# Altium PCB PCB2.PcbDoc (part 1 of 2) (continued)
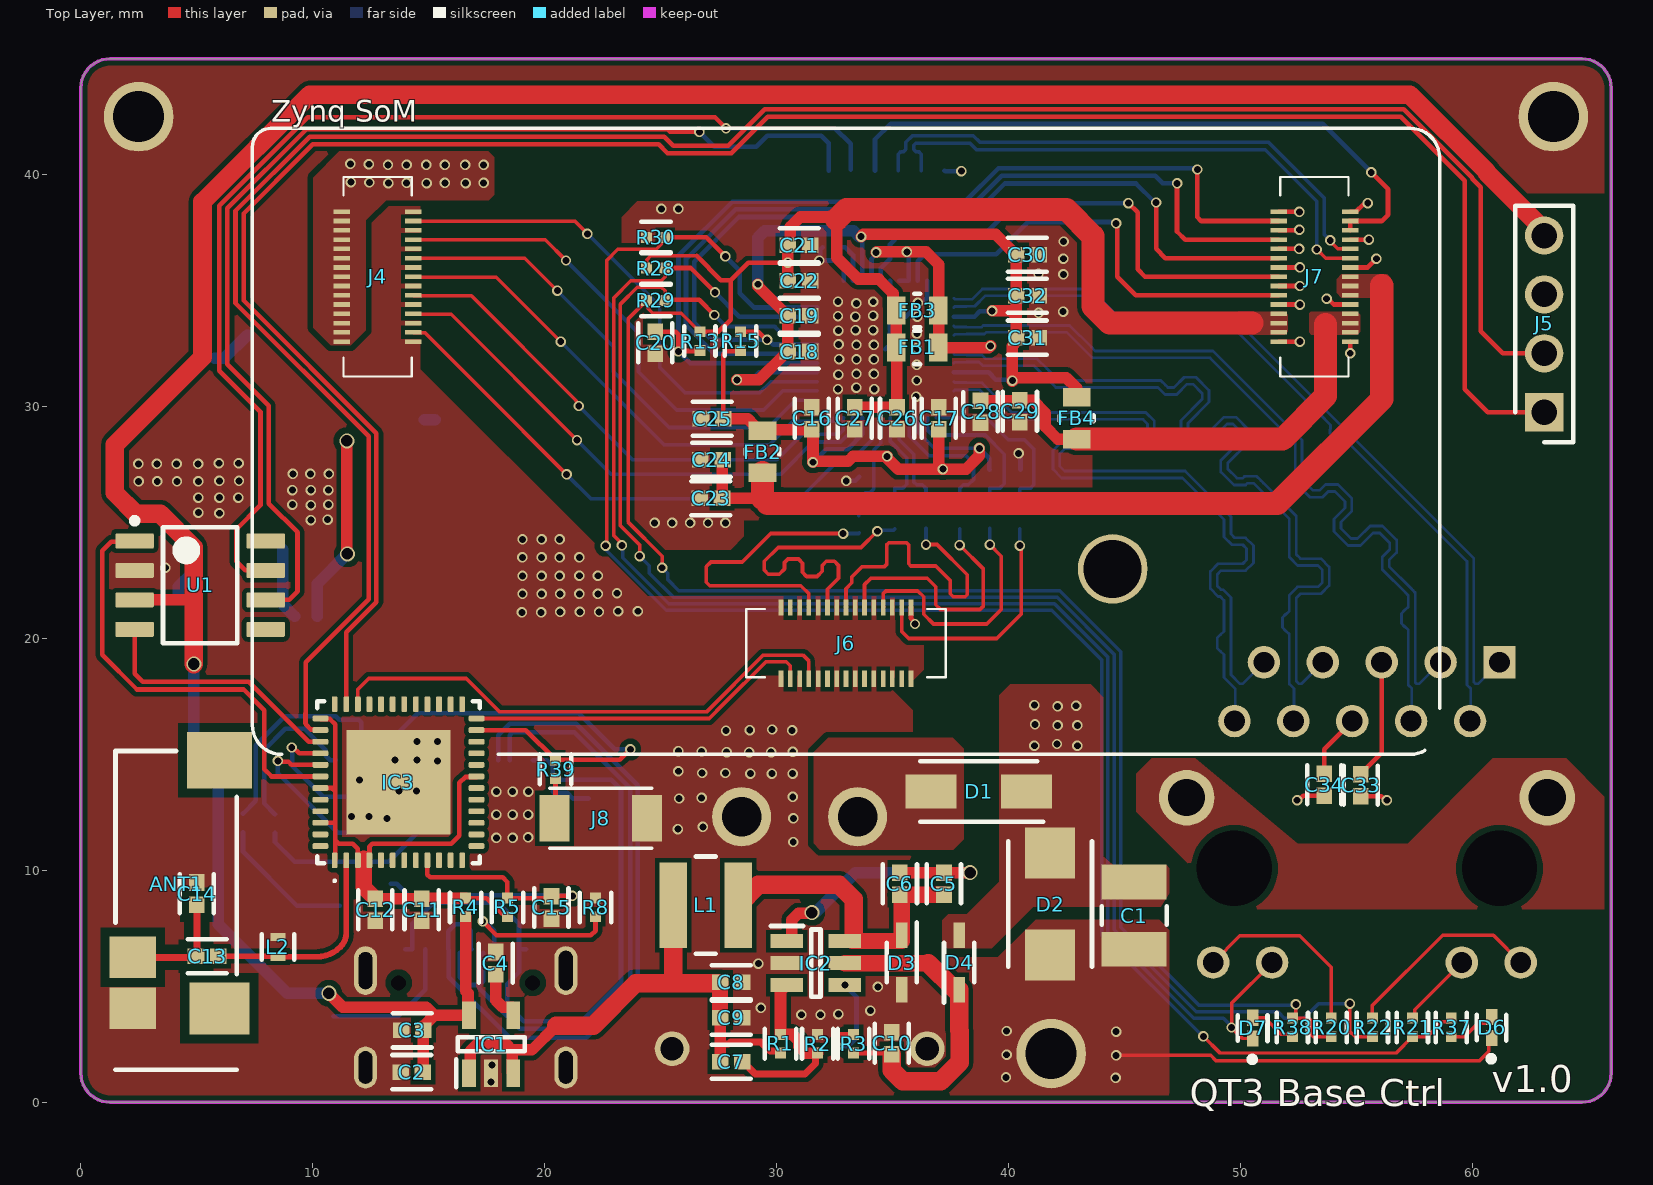
[diagram p0: Top Layer view]
## Components (designator, comment, footprint, x,y, rotation, side; value= is the part's Value field where it differs from the comment) (continued)
D6 "LED" FP-APHHS1005CGCK-MFG 60.844,3.225 r90 top
D7 "LED" FP-APHHS1005CGCK-MFG 50.544,3.2 r90 top
FB1 "70ohm_3A" FP-MPZ2012-MFG 36.075,32.55 r0 top
FB2 "70ohm_3A" FP-MPZ2012-MFG 29.4,28.05 r90 top
FB3 "70ohm_3A" FP-MPZ2012-MFG 36.075,34.146 r0 top
FB4 "70ohm_3A" FP-MPZ2012-MFG 42.95,29.5 r90 top
IC1 "LP2992IM5-3.3_N-910369311" SOT95P280X145-5N 17.7,2.5 r90 top
IC2 "ME3116" SOT95P270X145-6N 31.7,6 r0 top
IC3 "ESP32-PICO-D4" ESP32PICOD4 13.7,13.8 r90 top
IC4 "CP2102" QFN50P500X500X100-29N-D 18,12.4 r270 bottom
IC5 "RTL8211E-VL-CG" QFN40P600X600X100-49N 34.7,32.475 r180 bottom
IC6 "TPS54560DDAR" SOIC127P600X170-9N 6.8,26.55 r90 bottom
J1 "RB1-2S5BAK1A" RB12S5BAK1A 61.18,18.975 r180 bottom
J2 "XT30PW-M" XT30PWM 31,6.4 r0 bottom
J3 "USB Type-C SMD receptacle 16P" "USB TYPE-C SMD RECEPTACLE 16P" 16.6,1.5 r180 bottom
J4 "DF40HC_3.5_-30DS-0.4V_51_" DF40HC3530DS04V51 12.8,35.6 r270 top
J5 "XJ8B-0411" HDRV4W64P0X254_1X4_1020X250X580P 63.108,29.756 r90 top
J6 "DF40HC_3.5_-30DS-0.4V_51_" DF40HC3530DS04V51 33,19.8 r180 top
J7 "DF40HC_3.5_-30DS-0.4V_51_" DF40HC3530DS04V51 53.2,35.6 r270 top
J8 "tact-switch" tact-switch 22.425,12.25 r180 top
J9 "SH1.0-6P" SH1.0-6P 34.75,43.825 r0 bottom
L1 "NR4018-6R8" FP-NR4018-MFG 26.95,8.5 r180 top
L2 "1.6nH" FP-LQW15AN_00-W0_6-0_1-MFG 8.5,6.7 r270 top
L3 "1255AY-2R7N=P3" 1255AY100MP3 15.075,35.175 r90 bottom
Q1 "S8050" SOT95P240X115-3N 12.275,9.425 r0 bottom
Q2 "S8050" SOT95P240X115-3N 12.1,15.7 r0 bottom
R1 "0402-10k-1%" FP-CRCW0402-e3-IPC_C 30.175,2.525 r270 top
R2 "0402-1.8k-1%" FP-CRCW0402-e3-IPC_C 31.775,2.525 r270 top
R3 "0402-1M-1%" FP-CRCW0402-e3-IPC_C 33.325,2.525 r90 top
R4 "0402-0R-1%" FP-CRCW0402-e3-IPC_C 16.6,8.4 r270 top
R5 "0402-10k-1%" FP-CRCW0402-e3-IPC_C 18.4,8.4 r90 top
R6 "0402-120R-1%" FP-CRCW0402-e3-IPC_C 28.625,41.6 r90 bottom
R7 "0402-200R-1%" FP-CRCW0402-e3-IPC_C 12.575,13.175 r180 bottom
R8 "0402-5.1k-1%" FP-CRCW0402-e3-IPC_C 22.2,8.4 r270 top
R9 "0402-5.1k-1%" FP-CRCW0402-e3-IPC_C 10.9,3.3 r90 bottom
R10 "0402-10k-1%" FP-CRCW0402-e3-IPC_C 21.9,13.5 r90 bottom
R11 "0402-12k-1%" FP-CRCW0402-e3-IPC_C 7,12.05 r90 bottom
R12 "0402-12k-1%" FP-CRCW0402-e3-IPC_C 8.375,12.025 r270 bottom
R13 "0402-4.7k-1%" FP-CRCW0402-e3-IPC_C 26.7,32.823 r270 top
R14 "0402-2.49k-1%" FP-CRCW0402-e3-IPC_C 32.3,36.875 r180 bottom
R15 "0402-1.5k-1%" FP-CRCW0402-e3-IPC_C 28.45,32.823 r270 top
R16 "0402-4.7k-1%" FP-CRCW0402-e3-IPC_C 35.1,26.873 r270 bottom
R17 "0402-4.7k-1%" FP-CRCW0402-e3-IPC_C 36.45,26.873 r270 bottom
R18 "0402-4.7k-1%" FP-CRCW0402-e3-IPC_C 37.9,26.873 r270 bottom
R19 "0402-4.7k-1%" FP-CRCW0402-e3-IPC_C 39.2,26.873 r270 bottom
R20 "0402-330R-1%" FP-CRCW0402-e3-IPC_C 53.925,3.225 r270 top
R21 "0402-330R-1%" FP-CRCW0402-e3-IPC_C 57.425,3.225 r90 top
R22 "0402-330R-1%" FP-CRCW0402-e3-IPC_C 55.7,3.225 r90 top
R23 "0402-4.7k-1%" FP-CRCW0402-e3-IPC_C 40.525,26.873 r270 bottom
R24 "0402-10.5k-1%" FP-CRCW0402-e3-IPC_C 2.475,31.675 r270 bottom
R25 "0402-147k-1%" FP-CRCW0402-e3-IPC_C 4.125,31.675 r90 bottom
R26 "0402-39.2k-1%" FP-CRCW0402-e3-IPC_C 4.2,21.3 r90 bottom
R27 "0402-42.2k-1%" FP-CRCW0402-e3-IPC_C 5.775,31.675 r270 bottom
R28 "0402-4.7k-1%" FP-CRCW0402-e3-IPC_C 24.8,35.975 r0 top
R29 "0402-4.7k-1%" FP-CRCW0402-e3-IPC_C 24.8,34.575 r0 top
R30 "0402-4.7k-1%" FP-CRCW0402-e3-IPC_C 24.8,37.3 r180 top
R31 "0402-0R-1%" FP-CRCW0402-e3-IPC_C 33.55,24.9 r270 bottom
R32 "0402-0R-1%" FP-CRCW0402-e3-IPC_C 35.075,25.125 r270 bottom
R33 "0402-0R-1%" FP-CRCW0402-e3-IPC_C 36.45,25.125 r270 bottom
R34 "0402-0R-1%" FP-CRCW0402-e3-IPC_C 37.9,25.125 r270 bottom
R35 "0402-0R-1%" FP-CRCW0402-e3-IPC_C 39.2,25.125 r270 bottom
R36 "0402-0R-1%" FP-CRCW0402-e3-IPC_C 40.5,25.125 r270 bottom
R37 "0402-330R-1%" FP-CRCW0402-e3-IPC_C 59.1,3.225 r90 top
R38 "0402-330R-1%" FP-CRCW0402-e3-IPC_C 52.25,3.225 r90 top
R39 "0402-0R-1%" FP-CRCW0402-e3-IPC_C 20.475,14.361 r90 top
U1 "SN65HVD232DR" D0008A_M 5.15,22.3 r0 top

## Footprints (in the part's own frame and the unit in brackets; to place one, negate y for a bottom-side part, rotate by r counter-clockwise, add the part's x,y. Pads: shape width x height; smd on the part's side, far side on the other; paste and mask are expansions set on the pad)
1255AY100MP3 [mm]
  rect 1.6x5.7 smd: 1(-2.35,0) 2(2.35,0)
  silkscreen extent -1.2,-3 1.2,3, body extent -3.15,-3.15 3.15,3.15, height 4.5
CAPC2013X88X50LL20T25 [mm] "Chip Capacitor, 2-Leads, Body 2.00x1.25mm, IPC High Density"
  rect 1.1x1.35 smd: 1(-0.7,0) 2(0.7,0)
  body extent -1.1,-0.72 1.1,0.72, height 0.88
D0008A_M [mm] "SOIC, 8-Leads, Body 5x4mm, Pitch 1.27mm, IPC Low Density"
  rrect15% 1.65x0.65 smd: 1(-2.825,1.905) 2(-2.825,0.635) 3(-2.825,-0.635) 4(-2.825,-1.905) 5(2.825,-1.905) 6(2.825,-0.635) 7(2.825,0.635) 8(2.825,1.905)
  silkscreen extent -2.95,-2.5 1.6,2.9, body extent -3,-2.45 3,2.45, height 1.63
DF40HC3530DS04V51 [mm]
  rect 0.2x0.7 smd: 1(-2.8,-1.54) 2(-2.8,1.54) 3(-2.4,-1.54) 4(-2.4,1.54) 5(-2,-1.54) 6(-2,1.54) 7(-1.6,-1.54) 8(-1.6,1.54) 9(-1.2,-1.54) 10(-1.2,1.54) 11(-0.8,-1.54) 12(-0.8,1.54) 13(-0.4,-1.54) 14(-0.4,1.54) 15(0,-1.54) 16(0,1.54) 17(0.4,-1.54) 18(0.4,1.54) 19(0.8,-1.54) 20(0.8,1.54) 21(1.2,-1.54) 22(1.2,1.54) 23(1.6,-1.54) 24(1.6,1.54) 25(2,-1.54) 26(2,1.54) 27(2.4,-1.54) 28(2.4,1.54) 29(2.8,-1.54) 30(2.8,1.54)
  silkscreen extent -4.3,-1.47 4.3,1.47, body extent -4.3,-1.87 4.3,1.87, height 3.1
DIOM5026X262N [mm]
  rect 2.2x1.45 smd: 1(-2.05,0) 2(2.05,0)
  silkscreen extent -2.78,-1.3 2.52,1.3, body extent -2.52,-1.3 2.52,1.3, height 2.62
DIOM7959X250N [mm]
  rect 2.2x3.1 smd: 1(-3.5,0) 2(3.5,0)
  silkscreen extent -4.6,-2.95 3.97,2.95, body extent -3.97,-2.95 3.97,2.95, height 2.5
DIONM5436X244N [mm]
  rect 2.2x2.15 smd: 1(-2.2,0) 2(2.2,0)
  silkscreen extent -2.7,-1.81 2.7,1.81, body extent -2.7,-1.81 2.7,1.81, height 2.31
ESP32PICOD4 [mm]
  rrect50% 0.68x0.25 smd mask+0.05: 1(-3.365,2.75) 2(-3.365,2.25) 3(-3.365,1.75) 4(-3.365,1.25) 5(-3.365,0.75) 6(-3.365,0.25) 7(-3.365,-0.25) 8(-3.365,-0.75) 9(-3.365,-1.25) 10(-3.365,-1.75) 11(-3.365,-2.25) 12(-3.365,-2.75) 25(3.365,-2.75) 26(3.365,-2.25) 27(3.365,-1.75) 28(3.365,-1.25) 29(3.365,-0.75) 30(3.365,-0.25) 31(3.365,0.25) 32(3.365,0.75) 33(3.365,1.25) 34(3.365,1.75) 35(3.365,2.25) 36(3.365,2.75)
  rrect50% 0.25x0.68 smd mask+0.05: 13(-2.75,-3.365) 14(-2.25,-3.365) 15(-1.75,-3.365) 16(-1.25,-3.365) 17(-0.75,-3.365) 18(-0.25,-3.365) 19(0.25,-3.365) 20(0.75,-3.365) 21(1.25,-3.365) 22(1.75,-3.365) 23(2.25,-3.365) 24(2.75,-3.365) 37(2.75,3.365) 38(2.25,3.365) 39(1.75,3.365) 40(1.25,3.365) 41(0.75,3.365) 42(0.25,3.365) 43(-0.25,3.365) 44(-0.75,3.365) 45(-1.25,3.365) 46(-1.75,3.365) 47(-2.25,3.365) 48(-2.75,3.365)
  rect 4.5x4.5 smd: 49(0,0)
  silkscreen extent -4.3,-3.5 3.5,3.5, body extent -3.5,-3.5 3.5,3.5, height 1.14
FP-1210-L_3_3_0_4-W_2_5_0-IPC_B [mm]
  rect 1.503x2.804 smd paste+0 mask+0: 1(-1.45,0) 2(1.45,0)
  silkscreen extent -0.4,-1.4 0.4,1.4, body extent -1.65,-1.25 1.65,1.25, height 2.79
FP-APHHS1005CGCK-MFG [mm]
  rect 0.7x0.5 smd paste+0 mask+0: 1(-0.45,0) 2(0.45,0)
  silkscreen extent -1.47,-0.63 0.55,0.65, body extent -0.5,-0.25 0.5,0.25, height 0.5
FP-C3216-160-0_3-IPC_C [mm]
  rect 1.604x1.806 smd paste+0 mask+0: 1(-1.101,0) 2(1.101,0)
  silkscreen extent -1.9,-1.35 1.9,1.35, body extent -1.6,-0.8 1.6,0.8, height 1.9
FP-CRCW0402-e3-IPC_C [mm]
  rect 0.468x0.472 smd paste+0 mask+0: 1(-0.402,0) 2(0.402,0)
  silkscreen extent -0.64,-0.67 0.64,0.67, body extent -0.5,-0.25 0.5,0.25, height 0.4
FP-GRM155-0_05-IPC_A [mm]
  rect 0.715x0.672 smd paste+0 mask+0: 1(-0.479,0) 2(0.479,0)
  silkscreen extent -0.84,-0.74 0.84,0.74, body extent -0.5,-0.25 0.5,0.25, height 0.55
FP-LQW15AN_00-W0_6-0_1-MFG [mm]
  rect 0.35x0.65 smd paste+0 mask+0: 1(-0.425,0) 2(0.425,0)
  silkscreen extent -0.55,-0.7 0.55,0.7, body extent -0.7,-0.45 0.7,0.45, height 0.25
FP-MPZ2012-MFG [mm]
  rect 0.8x1.2 smd paste+0 mask+0: 1(-0.9,0) 2(0.9,0)
  silkscreen extent -0.13,-0.72 0.13,0.72, body extent -1.4,-0.82 1.4,0.82, height 0.25
FP-NR4018-MFG [mm]
  rect 1.2x3.7 smd paste+0 mask+0: 1(-1.4,0) 2(1.4,0)
  silkscreen extent -0.43,-2.1 0.43,2.1, body extent -2.2,-2.2 2.2,2.2, height 0.25
HDRV4W64P0X254_1X4_1020X250X580P [mm]
  rect 1.65x1.65 hole 1.1: 1(0,0)
  round 1.65 hole 1.1: 2(2.54,0) 3(5.08,0) 4(7.62,0)
  silkscreen extent -1.29,-1.25 8.91,1.25, body extent -1.29,-1.25 8.91,1.25, height 5.8
PRO-OB-440_1 [mm]
  rect 2x1.8 smd: 1(1.865,-2.65) 2(1.865,-4.85)
  rect 2.6x2.25 smd: 3(-1.865,-2.65)
  rect 2.8x2.45 smd: 4(-1.865,-13.35)
  silkscreen extent -2.62,-13.75 2.62,0, body extent -2.62,-13.91 2.62,-0.16, height 3.53
QFN40P600X600X100-49N [mm]
  rect 0.85x0.2 smd: 1(-2.95,2.2) 2(-2.95,1.8) 3(-2.95,1.4) 4(-2.95,1) 5(-2.95,0.6) 6(-2.95,0.2) 7(-2.95,-0.2) 8(-2.95,-0.6) 9(-2.95,-1) 10(-2.95,-1.4) 11(-2.95,-1.8) 12(-2.95,-2.2) 25(2.95,-2.2) 26(2.95,-1.8) 27(2.95,-1.4) 28(2.95,-1) 29(2.95,-0.6) 30(2.95,-0.2) 31(2.95,0.2) 32(2.95,0.6) 33(2.95,1) 34(2.95,1.4) 35(2.95,1.8) 36(2.95,2.2)
  rect 0.2x0.85 smd: 13(-2.2,-2.95) 14(-1.8,-2.95) 15(-1.4,-2.95) 16(-1,-2.95) 17(-0.6,-2.95) 18(-0.2,-2.95) 19(0.2,-2.95) 20(0.6,-2.95) 21(1,-2.95) 22(1.4,-2.95) 23(1.8,-2.95) 24(2.2,-2.95) 37(2.2,2.95) 38(1.8,2.95) 39(1.4,2.95) 40(1,2.95) 41(0.6,2.95) 42(0.2,2.95) 43(-0.2,2.95) 44(-0.6,2.95) 45(-1,2.95) 46(-1.4,2.95) 47(-1.8,2.95) 48(-2.2,2.95)
  rect 4.65x4.65 smd: 49(0,0)
  silkscreen extent -3.47,2.7 -3.28,2.9, body extent -3.05,-3.05 3.05,3.05, height 1
QFN50P500X500X100-29N-D [mm]
  rect 1x0.3 smd: 1(-2.35,1.5) 2(-2.35,1) 3(-2.35,0.5) 4(-2.35,0) 5(-2.35,-0.5) 6(-2.35,-1) 7(-2.35,-1.5) 15(2.35,-1.5) 16(2.35,-1) 17(2.35,-0.5) 18(2.35,0) 19(2.35,0.5) 20(2.35,1) 21(2.35,1.5)
  rect 0.3x1 smd: 8(-1.5,-2.35) 9(-1,-2.35) 10(-0.5,-2.35) 11(0,-2.35) 12(0.5,-2.35) 13(1,-2.35) 14(1.5,-2.35) 22(1.5,2.35) 23(1,2.35) 24(0.5,2.35) 25(0,2.35) 26(-0.5,2.35) 27(-1,2.35) 28(-1.5,2.35)
  rect 3.35x3.35 smd: 29(0,0)
  silkscreen extent -2.97,2.12 -2.73,2.37, body extent -2.55,-2.55 2.55,2.55, height 1
RB12S5BAK1A [mm]
  round 1.4 hole 0.9: L1(12.345,-12.95) L2(9.805,-12.95) L3(1.625,-12.95) L4(-0.915,-12.95) R2(1.27,-2.54) R3(2.54,0) R4(3.81,-2.54) R5(5.08,0) R6(6.35,-2.54) R7(7.62,0) R8(8.89,-2.54) R9(10.16,0) R10(11.43,-2.54)
  round 1.625 hole 3.25 unplated: MH1(0,-8.89) MH2(11.43,-8.89)
  round 2.4 hole 1.6: MH3(-2.06,-5.84) MH4(13.49,-5.84)
  rect 1.4x1.4 hole 0.9: R1(0,0)
  silkscreen extent -3.4,-19.78 13.59,2.05, body extent -2.76,-19.78 14.19,2, height 13.7
SH1.0-6P [mm]
  rect 0.4x1.8 smd paste+0 mask+0.1: 1(-2.5,3.65) 2(-1.5,3.65) 3(-0.5,3.65) 4(0.5,3.65) 5(1.5,3.65) 6(2.5,3.65)
  rect 2x1.5 smd paste+0 mask+0.1: 7(-3.75,0) 8(3.75,0)
  silkscreen extent -4.05,1.25 4.1,3.5
SOD2613X100N [mm]
  rect 1.1x0.5 smd: 1(-1.175,0) 2(1.175,0)
  silkscreen extent -1.73,-0.65 0.85,0.65, body extent -1.3,-0.65 1.3,0.65, height 1
SOIC127P600X170-9N [mm]
  rect 1.525x0.65 smd: 1(-2.712,1.905) 2(-2.712,0.635) 3(-2.712,-0.635) 4(-2.712,-1.905) 5(2.712,-1.905) 6(2.712,-0.635) 7(2.712,0.635) 8(2.712,1.905)
  rect 2.4x3.1 smd: 9(0,0)
  silkscreen extent -3.47,2.58 -1.95,2.58, body extent -3,-2.45 3,2.45, height 1.57
SOT95P240X115-3N [mm]
  rect 1.1x0.6 smd: 1(-1.1,0.95) 2(-1.1,-0.95) 3(1.1,0)
  silkscreen extent -1.65,-1.45 0.2,1.5, body extent -1.2,-1.45 1.2,1.45, height 1.15
SOT95P270X145-6N [mm]
  rect 1.4x0.6 smd: 1(-1.25,0.95) 2(-1.25,0) 3(-1.25,-0.95) 4(1.25,-0.95) 5(1.25,0) 6(1.25,0.95)
  silkscreen extent -1.95,-1.45 0.2,1.6, body extent -1.35,-1.45 1.35,1.45, height 1.45
SOT95P280X145-5N [mm]
  rect 1.2x0.6 smd: 1(-1.25,0.95) 2(-1.25,0) 3(-1.25,-0.95) 4(1.25,-0.95) 5(1.25,0.95)
  silkscreen extent -1.85,-1.45 0.3,1.5, body extent -1.4,-1.45 1.4,1.45, height 1.45
tact-switch [mm]
  rect 1.3x2 smd paste+0 mask+0.1: 1(-2,0) 2(2,0)
  silkscreen extent -2.2,-1.3 2.2,1.3
"USB TYPE-C SMD RECEPTACLE 16P" [mm]
  rect 0.25x1.45 smd paste+0 mask+0.05: 1(-3.375,4.955) 2(-3.075,4.955) 3(-2.6,4.955) 4(-2.3,4.955) 6(-1.25,4.955) 7(-0.75,4.955) 8(-0.25,4.955) 9(0.25,4.955) 10(0.75,4.955) 11(1.25,4.955) 12(1.75,4.955) 13(2.3,4.955) 14(2.6,4.955) 15(3.075,4.955) 16(3.375,4.955)
  rect 0.25x1.45 smd mask+0.05: 5(-1.75,4.955)
  oval 1x2.1 hole 0.6 slot 1.7 at 90 deg: 17(-4.32,4.18)
  oval 1x1.8 hole 0.6 slot 1.4 at 90 deg: 18(-4.32,0) 20(4.32,0)
  oval 1x2.1 hole 0.6 slot 1.6 at 90 deg: 19(4.32,4.18)
  round 0 hole 0.65 unplated paste+0 mask+0.1: 21(2.89,3.65) 22(-2.89,3.65)
  silkscreen extent -4.6,-2.6 4.6,2.41, body extent -4.47,-2.6 4.47,5.3, height 3.22
XT30PWM [mm]
  round 2.55 hole 1.7: 1(-2.5,-5.912) 2(2.5,-5.912)
  round 1.5 hole 1: 3(5.5,4.088) 4(-5.5,4.088)
  silkscreen extent -4.95,-6.76 4.95,7.19, body extent -6.65,-6.71 6.65,7.24, height 5.06

## Part data
ANT1: "Antenna", Manufacturer_Name="Proant AB", Datasheet Link=https://datasheet.datasheetarchive.com/originals/distributors/Datasheets_SAMA/948dc430b75246ce8cd38483dfecf2eb.pdf, Manufacturer_Part_Number=PRO-OB-440
C1: library part CMP-04427-007940-1, "General Purpose Ceramic Capacitor, 1210, 22uF, 10%, X7R, 15%, 16V", Capacitance=22uF, Case Code (Imperial)=1210, Case Code (Metric)=3225, Dielectric=X7R, Insulation Resistance=100GR, Max Operating Temperature=125°C, Min Operating Temperature=-55°C, Package Quantity=1000, Tolerance=10%, Voltage=10V, Voltage Rating=16V, Case/Package=1210, Construction=Flat, Contact Plating=Tin, Depth=2.5mm, Dissipation Factor=3.5%, Height=2.79mm, Lead Free="Lead Free", Length=3.2mm, Mount="Surface Mount", Number of Pins=2, Packaging="Tape and Reel", Radiation Hardening=No, REACH SVHC="No SVHC", RoHS Compliant=Yes, Series=Standard, Termination=SMD/SMT, Thickness=0.11inch, Voltage Rating (DC)=16V, Width=0.098inch
C2 C3 C4 C5 C6 C7 C8 C9 C10 C11 C12 C13 C14 C15 C16 C17 C18 C19 C20 C21 C22 C23 C24 C25 C26 C27 C28 C29 C30 C31 C32 C33 C34 C35 C36 C39 C40: library part CMP-2008-04561-5, "CAP CER 0.22UF 10V X5R 0402", Capacitance=220nF, Case Code (Imperial)=0402, Case Code (Metric)=1005, Dielectric=X5R, Dielectric Material=Ceramic, Insulation Resistance=10GR, Max Operating Temperature=85°C, Min Operating Temperature=-55°C, Package Quantity=1, Tolerance=10%, Voltage=10V, Case/Package=0402, Depth=0.5mm, Height=0.5mm, Lead Free="Lead Free", Length=1mm, MATERIAL=Ceramic, Mount="Surface Mount", Number of Pins=2, Packaging="Tape and Reel", Radiation Hardening=No, REACH SVHC="No SVHC", RoHS Compliant=Yes, Series=GRM, Termination=SMD/SMT, Thickness=0.022inch, Voltage Rating=10V, Voltage Rating (DC)=10V, Width=0.5mm
C37: library part CMP-2007-00266-1, Manufacturer=Kemet, Part Number=C0805C103K5RACTU
C38: library part CMP-2000-05396-3, "Multilayer Ceramic Capacitors 100uF ±20% 10V X5R SMD 1206", Capacitance=100uF, Case Code (Imperial)=1206, Case Code (Metric)=3216, Dielectric=X5R, Dielectric Material=Ceramic, Max Operating Temperature=85°C, Min Operating Temperature=-55°C, Package Quantity=1, Tolerance=20%, Voltage=10V, Case/Package=1206, Construction=Flat, Depth=1.6mm, Height=1.6mm, Lead Free="Lead Free", Length=3.2mm, Mount="Surface Mount", Packaging="Tape and Reel", Radiation Hardening=No, REACH SVHC="No SVHC", Resistor Type=Ceramic, RoHS Compliant=Yes, Series=C, Termination=SMD/SMT, Thickness=0.075inch, Voltage Rating=10V, Voltage Rating (DC)=10V, Weight=0.000571oz, Width=1.6mm
D1: "Schottky Diode", Manufacturer_Name="DIYI Elec Tech", Datasheet Link=https://datasheet.lcsc.com/szlcsc/DIYI-Elec-Tech-SS54_C84165.pdf, Height=2.62mm, Manufacturer_Part_Number=SS54
D2: "TVS Diode (Bi-directional)", Manufacturer_Name=Bourns, Mouser Part Number=652-SMBJ28CA, Arrow Part Number=SMBJ28CA, Arrow Price/Stock=https://www.arrow.com/en/products/smbj28ca/bourns?region=nac, Datasheet Link=https://componentsearchengine.com/Datasheets/1/SMBJ28CA.pdf, Height=2.44mm, Manufacturer_Part_Number=SMBJ28CA, Mouser Price/Stock=https://www.mouser.co.uk/ProductDetail/Bourns/SMBJ28CA?qs=d7fLapxX37FKb4yeAvm1Vg%3D%3D
D3 D4: "Diode", Manufacturer_Name="Yangzhou Yangjie Electronic Technology Co.", Datasheet Link=https://www.21yangjie.com/ggs/xxh/xxhxtdejg/B5817WS%20THRU%20B5819WS-SOD-323-%E6%B5%B7%E9%B8%A5%E8%84%9A.pdf, Height=1mm, Manufacturer_Part_Number=B5819WS
D5: "Diode", Manufacturer_Name="Diodes Inc.", Mouser Part Number=621-B560C-F, Arrow Part Number=B560C-13-F, Arrow Price/Stock=https://www.arrow.com/en/products/b560c-13-f/diodes-incorporated?region=nac, Datasheet Link=https://datasheet.lcsc.com/szlcsc/Diodes-Incorporated-B560C-13-F_C85100.pdf, Height=2.5mm, Manufacturer_Part_Number=B560C-13-F, Mouser Price/Stock=https://www.mouser.co.uk/ProductDetail/Diodes-Incorporated/B560C-13-F?qs=OC0R%252Bhozcm%252BAsjMXklZLIw%3D%3D
D6 D7: library part CMP-44529-000044-1, "LED GREEN CLEAR CHIP SMD", Case Code (Imperial)=0402, Case Code (Metric)=1005, Color=Green, Forward Current=20mA, Forward Voltage=2.1V, Lens Color=Clear, Max Operating Temperature=85°C, Min Operating Temperature=-40°C, Package Quantity=2000, Case/Package=0402, Dominant Wavelength=570nm, Height=0.6mm, Illumination Color=Green, Lead Free="Lead Free", Length=1mm, Lens Style=Clear, Luminous Intensity=50mcd, Mount="Surface Mount", Number of LEDs=1, Number of Pins=2, Packaging="Tape and Reel", Test Current=20mA, Viewing Angle=120°, Wavelength=570nm, Width=0.5mm
FB1 FB2 FB3 FB4: library part CMP-08257-000020-1, "FERRITE BEAD 220 OHM 0805 1LN", Case Code (Imperial)=0805, Case Code (Metric)=2012, Current Rating=3A, DC Resistance (DCR)=40mR, Max Operating Temperature=125°C, Min Operating Temperature=-55°C, Package Quantity=4000, Test Frequency=100MHz, Tolerance=25%, Case/Package=0805, Core Material=Ferrite, Depth=1.25mm, Height=0.85mm, Impedance=220R, Lead Free="Lead Free", Length=0.079inch, Max DC Current=3A, Mount="Surface Mount", Packaging="Tape and Reel", REACH SVHC="No SVHC", RoHS Compliant=Yes, Termination=SMD/SMT, Weight=0.000194oz, Width=0.049inch
IC1: "Integrated Circuit", Arrow Part Number=LP2992IM5-3.3/N-910369311, Manufacturer_Name="Texas Instruments", Arrow Price/Stock=https://www.arrow.com/en/products/lp2992im5-3.3n-910369311/texas-instruments, Datasheet Link=https://www.arrow.com/en/products/lp2992im5-3.3n-910369311/texas-instruments, Height=1.45mm, Manufacturer_Part_Number=LP2992IM5-3.3/N-910369311
IC2: "Integrated Circuit", Manufacturer_Name=Microne, Datasheet Link=https://datasheet.lcsc.com/szlcsc/Nanjing-Micro-One-Elec-ME3116_C97643.pdf, Height=1.45mm, Manufacturer_Part_Number=ME3116
IC3: "Integrated Circuit", Manufacturer_Name="Espressif Systems", Mouser Part Number=356-ESP32-PICO-D4, Datasheet Link=https://www.espressif.com/sites/default/files/documentation/esp32-pico-d4_datasheet_en.pdf, Height=1.04mm, Manufacturer_Part_Number=ESP32-PICO-D4, Mouser Price/Stock=https://www.mouser.co.uk/ProductDetail/Espressif-Systems/ESP32-PICO-D4?qs=MLItCLRbWsw7MJlbN3HfdA%3D%3D
IC4: "Integrated Circuit", Manufacturer_Name="Silicon Labs", Mouser Part Number=634-CP2102, Datasheet Link=https://componentsearchengine.com/Datasheets/1/CP2102.pdf, Height=1mm, Manufacturer_Part_Number=CP2102, Mouser Price/Stock=https://www.mouser.co.uk/ProductDetail/Silicon-Labs/CP2102?qs=ucY0lxHzU7615lOm95XT0w%3D%3D
IC5: "Integrated Circuit", Manufacturer_Name=Realtek, Datasheet Link=https://datasheet.lcsc.com/lcsc/1810010421_Realtek-Semicon-RTL8211E-VB-CG_C90735.pdf, Height=1mm, Manufacturer_Part_Number=RTL8211E-VL-CG
IC6: "Integrated Circuit", Manufacturer_Name="Texas Instruments", Mouser Part Number=595-TPS54560DDAR, Arrow Part Number=TPS54560DDAR, Arrow Price/Stock=https://www.arrow.com/en/products/tps54560ddar/texas-instruments?region=nac, Datasheet Link=http://www.ti.com/lit/ds/symlink/tps54560.pdf, Height=1.7mm, Manufacturer_Part_Number=TPS54560DDAR, Mouser Price/Stock=https://www.mouser.co.uk/ProductDetail/Texas-Instruments/TPS54560DDAR?qs=%2FA2SZCkL4Tlm1gC5t8ZNIg%3D%3D
J1: "Connector", Manufacturer_Name="UDE Corp", Datasheet Link=https://datasheet.lcsc.com/lcsc/1912111437_UDE-Corp-RB1-2S5BAK1A_C363232.pdf, Height=13.6mm, Manufacturer_Part_Number=RB1-2S5BAK1A
J2: "Connector", Manufacturer_Name=Amass, Datasheet Link=https://www.tme.eu/sl/Document/ce4077e36b79046da520ca73227e15de/XT30PW%20SPEC.pdf, Height=5mm, Manufacturer_Part_Number=XT30PW-M
J4 J6 J7: "Connector", Manufacturer_Name=Hirose, Manufacturer_Part_Number=DF40HC(3.5)-30DS-0.4V(51), Mouser Part Number=798-DF40HC3530DS04V, Datasheet Link=https://www.hirose.com/product/en/products/DF40/DF40HC%283.5%29-30DS-0.4V%2851%29/, Height=3mm, Mouser Price/Stock=https://www.mouser.co.uk/ProductDetail/Hirose-Connector/DF40HC3.5-30DS-0.4V51?qs=sAMQa04WsV9vLKgcIJF7Vw%3D%3D
J5: "Connector", Manufacturer_Name="Omron Electronics", Mouser Part Number=653-XJ8B0411, Datasheet Link=https://www.omron.com/ecb/products/pdf/en-xj8.pdf, Height=5.8mm, Manufacturer_Part_Number=XJ8B-0411, Mouser Price/Stock=https://www.mouser.co.uk/ProductDetail/Omron-Electronics/XJ8B-0411?qs=8ODJmtm206ec9SYet6om8g%3D%3D
L1: library part CMP-14484-000658-1, "SMD Power Inductors 2.2uH ±20% 1.44A 72mΩ", Case/Package=1515, Current Rating=1.44A, DC Resistance (DCR)=72mR, Inductance=2.2uH, Inductance Tolerance=20%, Max Operating Temperature=120°C, Min Operating Temperature=-25°C, Package Quantity=3500, Resistor Type=Wirewound, Saturation Current=2.7A, Self Resonant Frequency=52MHz, Test Frequency=100kHz, Core Material=Ferrite, Halogen Free="Halogen Free", Height=1.8mm, Height - Seated (Max)=0.071inch, Lead Free="Lead Free", Length=0.157inch, Max DC Current=1.44A, Mount="Surface Mount", Number of Pins=2, Packaging="Tape and Reel", RMS Current (Irms)=1.44A, RoHS Compliant=Yes, Series=NR, Shielding=Shielded, Termination=SMD/SMT, Tolerance=20%, Width=4mm
L2: library part CMP-06042-000827-1, "Wire Wound RF Inductor 3.9nH ±0.1nH 750mA 0.07Ω 0402 (1005)", Case Code (Imperial)=0402, Case Code (Metric)=1005, Current=750mA, DC Resistance (DCR)=70mR, Inductance=3.9nH, Max Operating Temperature=125°C, Min Operating Temperature=-55°C, Package Quantity=10000, Self Resonant Frequency=10GHz, Test Frequency=100MHz, Case/Package=0402, Core Material=Air, Current Rating=750mA, DC Current=750mA, Depth=0.7mm, Height=0.5mm, Lead Free="Lead Free", Length=1mm, Max DC Current=750mA, Military Standard=Not, Mount="Surface Mount", Number of Pins=2, Packaging="Tape and Reel", Radiation Hardening=No, REACH SVHC="No SVHC", Shielding=Unshielded, Termination=SMD/SMT, Weight=2.8E-05oz, Width=0.02inch
L3: "Inductor", Arrow Part Number=1255AY-2R7N=P3, Manufacturer_Name="Murata Electronics", Mouser Part Number=81-1255AY-2R7NP3, Arrow Price/Stock=https://www.arrow.com/en/products/1255ay-2r7np3/murata-manufacturing, Datasheet Link=https://psearch.en.murata.com/inductor/product/1255AY-2R7N%23.html, Height=4.5mm, Manufacturer_Part_Number=1255AY-2R7N=P3, Mouser Price/Stock=https://www.mouser.co.uk/ProductDetail/Murata-Electronics/1255AY-2R7N%3dP3?qs=KuGPmAKtFKXDux1CpeRnvg%3D%3D
Q1 Q2: "Transistor", Manufacturer_Name="Yenji Elec", Datasheet Link=https://datasheet.lcsc.com/szlcsc/Yenji-Elec-S8050_C139514.pdf, Height=1.15mm, Manufacturer_Part_Number=S8050
R1 R2 R3 R4 R5 R6 R7 R8 R9 R10 R11 R12 R13 R14 R15 R16 R17 R18 R19 R20 R21 R22 R23 R24 R25 R26 R27 R28 R29 R30 R31 R32 R33 R34 R35 R36 R37 R38 R39: library part CMP-2002-08122-2, "RES Thick Film, 0Ω, 0.063W, 0402", Case Code (Imperial)=0402, Case Code (Metric)=1005, Max Operating Temperature=155°C, Max Power Dissipation=63mW, Min Operating Temperature=-55°C, Package Quantity=1, Resistance=0mR, Temperature Coefficient=100ppm/°C, Tolerance=5%, Voltage Rating=50V, Case/Package=0402, Composition="Thick Film", Contact Plating=Tin, Depth=0.5mm, Features="Automotive AEC-Q200", Height=0.35mm, Lead Free="Lead Free", Length=1mm, Military Standard=Not, Mount="Surface Mount", Number of Terminations=2, Packaging="Tape and Reel", Power Rating=63mW, Radiation Hardening=No, Termination=SMD/SMT, Voltage Rating (DC)=50V, Weight=2.3E-05oz, Width=0.5mm
U1: library part CMP-0315-00075-2, "3.3 V Can Transceiver, 17 mA, -40 to 85 degC, 8-pin SOIC (D), Green (RoHS & no Sb/Br)", Drivers Per Package=1, Manufacturer="Texas Instruments", Rating=Catalog, Supply Voltage(s)(V)=3.3, Code_JEDEC=MS-012AA, ComponentLink1Description=Datasheet, ComponentLink1URL=http://www.ti.com/general/docs/lit/getliterature.tsp?genericPartNumber=SN65HVD232&fileType=pdf, DatasheetVersion=SLOS346K, Eco-Plan="Green (RoHS & no Sb/Br)", ICC(Max)(mA)=17, Isolated=No, Mounting Technology="Surface Mount", PackageDescription="8-Pin Plastic Small Outline Integrated Circuit, 4.9 x 3.9 mm, Pitch 1.27 mm Pitch", PackageReference=D0008A, PackageVersion="revM, Jun-2011", PartNumber=SN65HVD232DR, Receivers Per Package=1, SubFamily=CAN, Transient Pulse Protection(V)="-25 to 25"

## Free pads (board coordinates)
  round 3 hole 2.2 paste+0 mask+0.1: 2(41.85,2.1) 2(63.5,42.5) 4(2.5,42.5)
  round 3 hole 2.5 paste+0 mask+0.1: 2(44.5,23)

## Via types
v1: diameter 0.45, hole 0.3, Top Layer to Bottom Layer, tented both sides, 170 vias
v2: diameter 0.45, hole 0.3, Top Layer to Bottom Layer, 83 vias
v3: diameter 0.65, hole 0.5, Top Layer to Bottom Layer, tented both sides, 6 vias

## Nets (pads, with @x,y where several pads share a name; then routed paths per layer and width w, separated by ;. In a path a pad name is that pad's centre, name@x,y a point inside that pad or via, vN(x,y) a via of type N, cw(c..) or ccw(c..) an arc to the next point about the centre after c; other vN are vias at no path point)
ACTLED0: D7.1 IC5.34 J1.L2 R28.2 | length 68
  Top Layer w0.15: v2(23.337,24.012) 23.337,24.094 22.975,24.456 22.975,34.675 23.725,35.425 25.025,35.425 25.2,35.6 R28.2@25.2,35.973 ; D7.1@50.544,2.75 50.1,2.75 v2(49.625,3.225) 49.625,4.275 J1.L2@51.375,6.025
  Top Layer w0.2: R28.2@25.2,35.973 R28.2@25.202,35.975 26.3,35.975 v2(27.35,34.925)
  Bottom Layer w0.15: v2(23.337,24.012) 23.379,23.971 23.379,23.487 25.365,21.502 41.99,21.502 44.296,19.196 44.296,7.321 47.996,3.621 49.279,3.621 49.625,3.275 v2(49.625,3.225)
  Bottom Layer w0.2: v2(27.35,34.925) 28.4,33.875 IC5.34@31.75,33.875
ACTLED1: IC5.35 R21.1 R30.1 R37.2 | length 76.9
  Top Layer w0.15: v2(22.634,23.999) 22.675,24.04 22.675,36.3 23.164,36.789 24.814,36.789 25.043,37.018 25.043,37.139 25.129,37.225 R30.1@25.25,37.225 ; v2(48.411,2.841) 49.127,2.125 56.725,2.125 57.423,2.823 R21.1@57.425,2.823 58.073,2.823 58.718,3.468 58.941,3.468 R37.2@59.1,3.627
  Top Layer w0.2: R30.1@25.202,37.3 26.975,37.3 v2(27.8,36.475)
  Bottom Layer w0.15: v2(22.634,23.999) 22.691,23.941 22.691,23.784 25.25,21.225 41.875,21.225 44.019,19.081 44.019,7.206 v2@48.4,2.825
  Bottom Layer w0.2: v2(27.8,36.475) 28.411,35.864 28.411,34.889 29.025,34.275 IC5.35@31.75,34.275
ACTLED2: IC5.32 R22.1 R29.2 | length 69.6
  Top Layer w0.15: v2(24.1,23.55) 24.1,24.033 23.275,24.858 23.275,34.423 24,35.148 25.041,35.148 25.202,34.987 25.202,34.6 R29.2@25.202,34.575 ; v2(54.725,4.25) 54.725,3.05 54.952,2.823 R22.1@55.7,2.823
  Top Layer w0.2: R29.2@25.202,34.6 26.675,34.6 v2(27.325,33.95)
  Bottom Layer w0.15: v2(24.1,23.55) 24.521,23.129 24.521,22.821 25.563,21.779 42.104,21.779 44.573,19.31 44.573,7.435 48.11,3.898 51.63,3.898 51.903,3.625 52.75,3.625 53.375,4.25 v2(54.725,4.25)
  Bottom Layer w0.18: v2(27.325,33.95) 27.825,33.45 29.925,33.45 30.3,33.075 IC5.32@31.75,33.075
CAM_D_N: J7.10 J9.4 | length 23.7
  Top Layer w0.152: v1(53.882,37.172) 53.882,37.118 54.2,36.8 J7.10@54.74,36.8
  Bottom Layer w0.152: J9.4@35.25,40.175 35.25,40.875 35.374,40.999 35.495,40.999 35.584,41.088 35.584,41.401 35.867,41.684 38.485,41.684 38.763,41.407 51.212,41.407 53.632,38.987 53.632,37.942 53.632,37.41 53.87,37.172 v1(53.882,37.172)
CAM_D_P: J7.12 J9.5 | length 23.4
  Top Layer w0.152: v1(53.3,36.775) 53.313,36.775 53.688,36.4 J7.12@54.74,36.4
  Bottom Layer w0.152: J9.5@36.25,40.175 36.25,40.875 36.126,40.999 36.005,40.999 35.916,41.088 35.916,41.263 36.005,41.352 38.348,41.352 38.625,41.075 51.075,41.075 53.3,38.85 53.3,38.08 v1(53.3,36.775)
CAM_VBUS: J7.4 J7.6 J9.3 | length 28.2
  Top Layer w0.2: J7.4@54.7,38 J7.4@54.74,38 ; J7.6@54.74,37.6 J7.4@54.74,38 ; v1(55.65,40.1) 56.375,39.375 56.375,38.275 56.1,38 J7.4@54.74,38
  Bottom Layer w0.2: J9.3@34.25,40.175 34.25,41.525 34.925,42.2 53.55,42.2 v1(55.65,40.1)
CAN_H: J9.2 R6.2 U1.7 | length 48.3
  Top Layer w0.2: U1.7@7.975,22.935 7.09,22.935 6.7,23.325 6.7,24.7 7.75,25.75 7.75,29.775 5.975,31.55 5.975,38.663 9.787,42.475 27.35,42.475 v1(27.825,42)
  Bottom Layer w0.2: v1(27.825,42) 27.826,42.001 28.624,42.001 R6.2@28.625,42.002 32.523,42.002 33.2,41.325 J9.2@33.2,40.225
CAN_L: J9.1 R6.1 U1.6 | length 48.5
  Top Layer w0.2: U1.6@7.975,21.665 8.985,21.665 9.35,22.03 9.35,24.575 8.111,25.814 8.111,30.039 6.325,31.825 6.325,38.551 9.735,41.961 25.301,41.961 25.412,41.85 v1(26.675,41.85)
  Bottom Layer w0.2: v1(26.675,41.85) 27.327,41.198 R6.1@28.625,41.198 29.123,41.198 29.6,41.675 31.939,41.675 32.25,41.365 J9.1@32.25,40.175
DTR: IC4.28 Q2.2 R11.2 | length 13.8
  Bottom Layer w0.2: R11.2@7,12.452 7.55,13.002 7.55,15.4 8.8,16.65 Q2.2@11,16.65 11.15,16.5 11.983,16.5 12.1,16.383 12.1,15 12.083,14.983 12.966,14.1 14.7,14.1 14.9,13.9 IC4.28@15.65,13.9
ETH_AN0: IC5.17 R17.2 R33.1 | length 4.6
  Bottom Layer w0.156: IC5.17@35.3,29.525 35.3,28.575 35.925,27.95 35.925,26.75 36.048,26.627 36.294,26.627 R17.2@36.45,26.471 R33.1@36.45,25.527
ETH_AN1: IC5.18 R16.2 R32.1 | length 4.7
  Bottom Layer w0.156: IC5.18@34.9,29.525 34.9,28.513 35.614,27.798 35.614,26.651 35.434,26.471 R16.2@35.1,26.471 35.1,25.552 R32.1@35.075,25.527
ETH_AVDD3V3: FB1.2 FB3.2 IC5.6 IC5.41 IC5.44 IC5.45 | length 13.3
  Top Layer w0.5: v2(34.3,36.65) 34.325,36.675 v2(35.625,36.675) 36.45,36.675 37,36.125 FB3.2@37,34.146 ; FB1.2@36.975,32.55 36.988,32.538 39.156,32.538 v2(39.232,32.613) ; FB3.2@36.979,34.146 36.991,34.134 FB1.2@36.991,32.534
  Bottom Layer w0.2: IC5.41@34.1,35.425 34.1,36.382 34.3,36.582 v2(34.3,36.65) ; IC5.44@35.3,35.425 IC5.45@35.7,35.425 35.7,36.532 35.625,36.607 v2(35.625,36.675) ; IC5.6@37.65,32.675 v2@39.102,32.675
ETH_CLK: IC5.42 J7.15 | length 22
  Top Layer w0.2: v2(45.175,38.775) 45.575,38.375 45.575,35.917 45.892,35.6 J7.15@51.66,35.6
  Bottom Layer w0.2: IC5.42@34.5,35.425 34.5,35.974 34.9,36.374 34.9,37 35.325,37.425 38.975,37.425 40.325,38.775 v2(45.175,38.775)
ETH_INT_B: IC5.20 J4.28 | length 24.8
  Top Layer w0.156: J4.28@14.34,33.2 14.362,33.178 14.847,33.178 17.172,30.853 v2(20.95,27.075)
  Bottom Layer w0.156: v2(20.95,27.075) 22,26.025 31,26.025 32.589,27.614 33.164,27.614 34.1,28.55 IC5.20@34.1,29.525
ETH_MDC: IC5.30 J7.7 | length 38.4
  Top Layer w0.2: v2(47.275,39.625) 47.275,37.55 47.625,37.2 J7.7@51.66,37.2
  Bottom Layer w0.2: IC5.30@31.75,32.275 27.325,32.275 26.102,33.498 26.102,36.365 28.239,38.502 38.264,38.502 39.71,39.948 46.331,39.948 46.65,39.629 47.271,39.629 v2(47.275,39.625)
ETH_MDIO: IC5.31 J7.11 R15.1 | length 38.7
  Top Layer w0.2: R15.1@28.45,33.225 29.208,33.225 29.558,32.875 v2(29.6,32.875) ; v2(46.375,38.8) 46.375,36.8 46.775,36.4 J7.11@51.66,36.4
  Bottom Layer w0.2: IC5.31@31.75,32.675 29.868,32.675 29.668,32.875 v2(29.6,32.875) 27.2,32.875 26.45,33.625 26.45,36.25 28.375,38.175 38.4,38.175 39.846,39.621 45.503,39.621 46.324,38.8 v2(46.375,38.8)
ETH_PHY_AD: IC5.13 R23.2 R36.1 | length 7.9
  Bottom Layer w0.156: IC5.13@36.9,29.525 39.05,29.525 40,28.575 40.7,28.575 41.1,28.175 41.1,26.625 40.946,26.471 R23.2@40.525,26.471 40.5,26.446 R36.1@40.5,25.527
ETH_RST_B: C20.1 IC5.29 J7.3 R13.2 | length 42.6
  Top Layer w0.2: C20.1@24.775,33.229 25.658,33.229 25.775,33.111 v2(25.775,32.375) 25.798,32.398 26.677,32.398 R13.2@26.7,32.421 ; v2(48.15,40.225) 48.15,38.175 48.325,38 J7.3@51.66,38
  Bottom Layer w0.2: IC5.29@31.75,31.875 26.275,31.875 v2(25.775,32.375) 25.775,36.5 28.104,38.829 38.129,38.829 39.575,40.275 47.923,40.275 47.925,40.273 48.102,40.273 v2(48.15,40.225)
ETH_RXCK: J6.23 R31.2 | length 13.1
  Top Layer w0.156: J6.23@31.4,21.34 31.4,21.925 31.05,22.275 27.125,22.275 26.975,22.425 26.975,23.1 27.175,23.3 28.525,23.3 29.75,24.525 v2(32.875,24.525)
  Bottom Layer w0.156: v2(32.875,24.525) 33.548,24.525 R31.2@33.575,24.552
ETH_RXCTL: J6.3 R36.2 | length 10.4
  Top Layer w0.156: J6.3@35.4,21.34 35.4,20.3 35.7,20 39.5,20 40.55,21.05 40.55,23.95 v2(40.5,24)
  Bottom Layer w0.156: v2(40.5,24) R36.2@40.5,24.723
ETH_RXD0: J6.7 R35.2 | length 10.8
  Top Layer w0.156: J6.7@34.622,21.362 J6.7@34.6,21.34 34.6,21.925 34.725,22.05 36.1,22.05 36.35,21.8 36.35,21.05 36.775,20.625 39.075,20.625 39.7,21.25 39.7,23.55 v2(39.2,24.05)
  Bottom Layer w0.156: v2(39.2,24.05) R35.2@39.2,24.748
ETH_RXD1: J6.11 R34.2 | length 11
  Top Layer w0.156: J6.11@33.8,21.34 33.8,22.325 34.075,22.6 36.5,22.6 36.875,22.225 36.875,21.45 37.075,21.25 38.775,21.25 38.925,21.4 38.925,23 v2(37.9,24.025)
  Bottom Layer w0.156: v2(37.9,24.025) R34.2@37.9,24.723
ETH_RXD2: J6.15 R33.2 | length 13.2
  Top Layer w0.156: J6.15@33,21.34 33,22.15 33.25,22.4 33.25,22.65 33.7,23.1 34.658,23.1 34.75,23.192 34.75,24.033 34.842,24.125 35.608,24.125 35.7,24.033 35.7,23.217 35.792,23.125 36.875,23.125 37.5,22.5 37.5,21.925 37.625,21.8 38.133,21.8 38.225,21.892 38.225,22.75 36.925,24.05 v2(36.45,24.05)
  Bottom Layer w0.156: v2(36.45,24.05) R33.2@36.45,24.746
ETH_RXD3: J6.19 R32.2 | length 13.3
  Top Layer w0.156: J6.19@32.2,21.34 32.2,22.125 32.675,22.6 32.675,23.15 32.5,23.325 32.15,23.325 31.975,23.15 31.975,22.9 31.75,22.675 31.3,22.675 31.125,22.85 31.125,23.25 30.95,23.425 30.5,23.425 30.35,23.275 30.35,23 30.125,22.775 29.65,22.775 29.475,22.95 29.475,23.325 30.075,23.925 33.65,23.925 v2(34.35,24.625)
  Bottom Layer w0.156: v2(34.35,24.625) 34.398,24.673 35.052,24.673 R32.2@35.1,24.721
ETH_SELRGV: IC5.14 R19.2 R35.1 | length 7.2
  Bottom Layer w0.156: IC5.14@36.5,29.525 36.513,29.512 36.513,28.994 36.732,28.775 39,28.775 39.825,27.95 39.825,26.675 39.621,26.471 R19.2@39.2,26.471 R35.1@39.2,25.527
ETH_TXCK: IC5.22 J4.24 | length 23.1
  Top Layer w0.156: J4.24@14.34,34 14.362,33.978 15.975,33.978 21.4,28.553 v2(21.4,28.55)
  Bottom Layer w0.156: v2(21.4,28.55) 22.875,27.075 30.175,27.075 31.572,28.472 32.767,28.472 33.278,28.984 33.278,29.503 IC5.22@33.3,29.525
ETH_TXCTL: IC5.27 J4.4 | length 22.2
  Top Layer w0.156: J4.4@14.34,38 21.3,38 v2(21.85,37.45)
  Bottom Layer w0.156: v2(21.85,37.45) 24.975,34.325 24.975,31.675 26.057,30.593 29.268,30.593 29.75,31.075 IC5.27@31.75,31.075
ETH_TXD0: IC5.23 J4.20 | length 22.6
  Top Layer w0.156: J4.20@14.34,34.8 14.362,34.778 16.847,34.778 21.369,30.256 21.369,30.211 21.475,30.104 v2(21.475,30.025)
  Bottom Layer w0.156: v2(21.475,30.025) 23.8,27.7 30,27.7 31.1,28.8 32.693,28.8 32.878,28.985 32.878,29.503 IC5.23@32.9,29.525
ETH_TXD1: IC5.24 J4.16 | length 21.7
  Top Layer w0.156: J4.16@14.34,35.6 14.362,35.578 17.922,35.578 v2(20.7,32.8)
  Bottom Layer w0.156: v2(20.7,32.8) 25.15,28.35 29.7,28.35 30.725,29.375 32.478,29.375 32.5,29.397 IC5.24@32.5,29.525
ETH_TXD2: IC5.25 J4.12 | length 21.6
  Top Layer w0.156: J4.12@14.34,36.4 19.15,36.4 v2(20.55,35)
  Bottom Layer w0.156: v2(20.55,35) 22.975,32.575 22.975,31.5 25.375,29.1 29.65,29.1 30.825,30.275 IC5.25@31.75,30.275
ETH_TXD3: IC5.26 J4.8 | length 21.8
  Top Layer w0.156: J4.8@14.34,37.2 20.025,37.2 v2(20.925,36.3)
  Bottom Layer w0.156: v2(20.925,36.3) 24.05,33.175 24.05,31.5 25.7,29.85 29.452,29.85 30.277,30.675 IC5.26@31.75,30.675
ETH_TXDLY: IC5.16 R18.2 R34.1 | length 6.5
  Bottom Layer w0.156: IC5.16@35.7,29.525 35.722,29.503 35.722,28.728 36.575,27.875 38.175,27.875 38.5,27.55 38.5,26.85 38.277,26.627 38.056,26.627 R18.2@37.9,26.471 R34.1@37.9,25.527